# Altium PCB RF.PcbDoc (part 5 of 5)
Units mm, origin at the board's own origin, x right, y up, seen from the top; angles counter-clockwise.
Board outline 174 x 120 mm, 4 copper layers (Top, REF1, Internal, REF2), stack 1.212 mm thick; 567 components, 328 nets, 1552 pads, 3145 vias.
Unrouted connection lines stored in the file: 12.
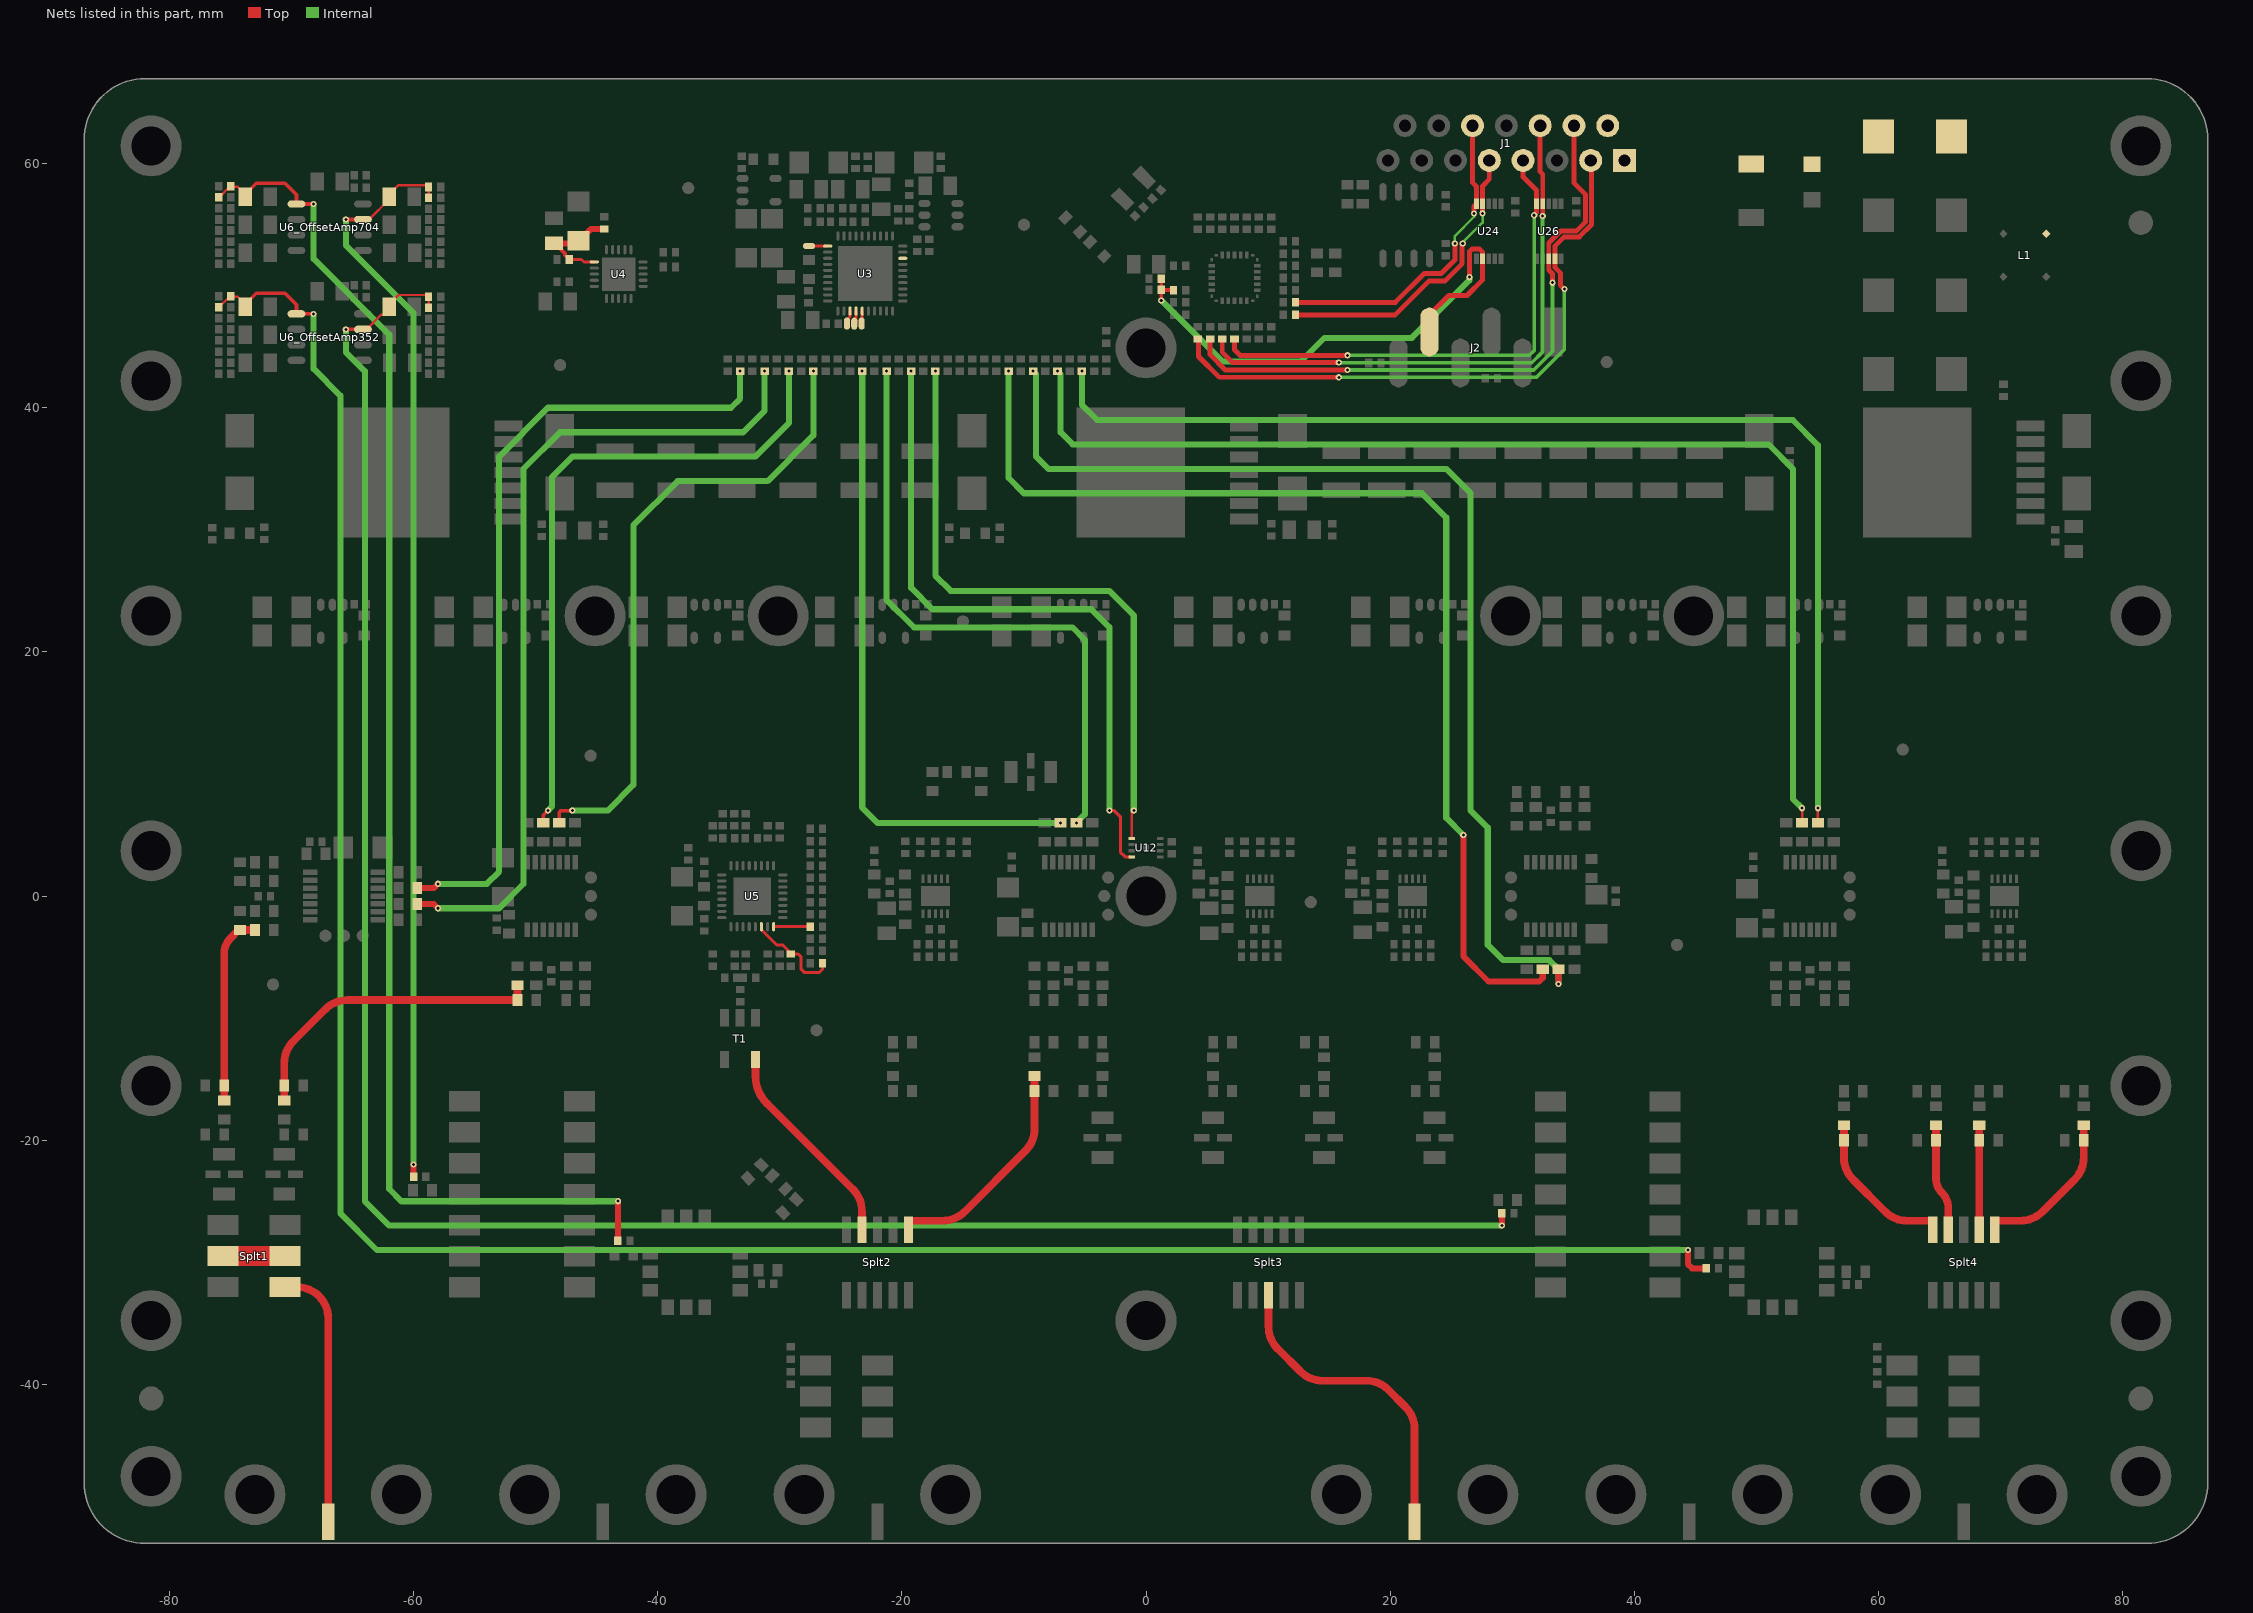
[diagram p7: the nets of this part, all layers, seen from the top]

## Via types
v1: diameter 0.51, hole 0.25, Top to REF2, tented both sides, 2873 vias
v2: diameter 1, hole 0.5, Top to REF2, tented both sides, 245 vias
v3: diameter 0.75, hole 0.25, Top to REF2, tented both sides, 21 vias
v4: diameter 0.51, hole 0.25, Top to REF2, tented bottom, 6 vias

## Nets (pads, with @x,y where several pads share a name; then routed paths per layer and width w, separated by ;. In a path a pad name is that pad's centre, name@x,y a point inside that pad or via, vN(x,y) a via of type N, cw(c..) or ccw(c..) an arc to the next point about the centre after c; other vN are vias at no path point) (continued)
NetR126_2: R126.2 R127.2 Splt2.6 | length 18.9
  Top w0.635: Splt2.6@-19.46,-27.335 -19.46,-26.6 -16.652,-26.6 ccw(c-16.652,-24.06) -14.856,-25.856 -9.869,-20.869 ccw(c-11.665,-19.073) -9.125,-19.073 R126.2@-9.125,-15.975 R127.2@-9.125,-14.75
NetR136_1: R136.1 R137.2 Splt4.9 | length 8.8
  Top w0.635: R136.1@64.73,-18.775 R137.2@64.73,-20 64.73,-23.165 ccw(c66.335,-23.165) 65.2,-24.3 cw(c63.92,-25.58) 65.73,-25.58 Splt4.9@65.73,-27.335
NetR139_1: R139.1 R144.2 Splt4.6 | length 13.2
  Top w0.635: Splt4.6@69.54,-27.335 69.54,-26.6 71.648,-26.6 ccw(c71.648,-24.06) 73.444,-25.856 76.081,-23.219 ccw(c74.285,-21.423) 76.825,-21.423 R144.2@76.825,-20 R139.1@76.825,-18.775
NetR145_1: R145.1 R146.2 Splt4.10 | length 13.2
  Top w0.635: R145.1@57.175,-18.775 R146.2@57.175,-20 57.175,-21.423 ccw(c59.715,-21.423) 57.919,-23.219 60.556,-25.856 ccw(c62.352,-24.06) 62.352,-26.6 64.46,-26.6 Splt4.10@64.46,-27.335
NetR150_2: R150.2 R151.1 Splt4.7 | length 8.6
  Top w0.635: Splt4.7@68.27,-27.335 R150.2@68.27,-20 R151.1@68.27,-18.775
NetR153_1: R153.1 U5.8 | length 3
  Top w0.25: U5.8@-30.504,-2.512 -30.504,-2.506 -27.506,-2.506 R153.1@-27.5,-2.5
NetSMA1_0: SMA1.0 Splt1.1 | length 21.3
  Top w0.635: Splt1.1@-70.52,-32.04 -69.54,-32.04 cw(c-69.54,-34.58) -67,-34.58 SMA1.0@-67,-50.94
NetSMA4_0: SMA4.0 Splt3.3 | length 26.7
  Top w0.635: Splt3.3@10.038,-32.695 10.038,-35.285 ccw(c12.578,-35.285) 10.781,-37.081 12.656,-38.956 ccw(c14.452,-37.16) 14.452,-39.7 18.048,-39.7 cw(c18.048,-42.24) 19.844,-40.444 21.256,-41.856 cw(c19.46,-43.652) 22,-43.652 SMA4.0@22,-51.54
NetSplt1_2: Splt1.2 Splt1.5 | length 5.1
  Top w1.65: Splt1.5@-75.6,-29.5 Splt1.2@-70.52,-29.5
NetSplt2_9: Splt2.9 T1.4 | length 17.3
  Top w0.635: T1.4@-31.984,-13.4 -31.984,-14.786 ccw(c-28.918,-14.786) -31.086,-16.954 -30.87,-17.17 -24.014,-24.026 cw(c-25.81,-25.822) -23.27,-25.822 Splt2.9@-23.27,-27.335
NetU3_11: pad.TPREF@-27.6,53.25 U3.11 | length 1.5
  Top w0.25: pad.TPREF@-27.6,53.25 U3.11@-26.075,53.25
NetU3_23: pad.TPREF@-24.5,46.9 U3.23 | length 1.1
  Top w0.25: pad.TPREF@-24.5,46.9 -24.5,47.218 -24.375,47.343 -24.375,47.347 -24.25,47.472 U3.23@-24.25,47.925
NetU3_24: pad.TPREF@-23.9,46.9 U3.24 | length 1.1
  Top w0.25: pad.TPREF@-23.9,46.9 -23.775,47.025 -23.775,47.347 -23.75,47.372 U3.24@-23.75,47.925
NetU3_25: pad.TPREF@-23.3,46.9 U3.25 | length 1
  Top w0.25: pad.TPREF@-23.3,46.9 -23.3,47.218 -23.25,47.268 U3.25@-23.25,47.925
NetU3_38: U3.38
NRST: C112.1 J2.5 R93.1 R95.2 U24.2 | length 45.7
  Top w0.3: C112.1@1.25,49.61 C112.1@1.25,49.66 ; R93.1@1.25,50.56 C112.1@1.25,49.66 ; v4@1.263,48.8 C112.1@1.263,49.647 ; R95.2@2.25,49.635 2.238,49.647 C112.1@1.263,49.647 ; C112.1@1.25,49.66 C112.1@1.263,49.647
  Top w0.4: J2.5@23.22,46.21 23.22,47.62 24.8,49.2 26.3,49.2 27.575,50.475 U24.2@27.575,52.21 27.575,52.76 27.335,53 26.7,53 26.5,52.8 v1(26.5,50.7)
  Internal w0.5: v4(1.25,48.8) 6.25,43.8 12.7,43.8 14.625,45.725 21.775,45.725 26.5,50.45 v1(26.5,50.7)
PD0MAG_5: R2_PD0.1 R18.1 | length 90.5
  Top w0.5: v1@33.8,-7.2 v1(33.8,-7.195) R2_PD0.1@33.8,-6
  Internal w0.5: v1(-9.25,43) -9,42.75 -9,36 -8,35 24.6,35 26.6,33 26.6,7 28,5.6 28,-4 29.25,-5.25 33.05,-5.25 33.8,-6 v1(33.8,-7.195)
PD0PHS_5: R4_PD0.1 R17.1 | length 90.5
  Top w0.5: v1@26,4.96 26,-4.94 28.06,-7 32.2,-7 32.5,-6.7 R4_PD0.1@32.5,-6.1
  Internal w0.5: v1(-11.25,43) -11.25,34.25 -10,33 22.6,33 24.6,31 24.6,6.4 v1(26,5)
PD1MAG_5: R2_PD1.1 R10.1 | length 52.5
  Internal w0.5: v1(-23.25,43) -23.25,7.25 -22,6 v1(-7,6)
PD1PHS_5: R4_PD1.1 R11.1 | length 51.6
  Internal w0.5: v1(-21.25,43) -21.25,24.25 -19,22 -6.015,22 -5,20.985 -5,6.7 v1(-5.7,6)
PD2MAG_5: R2_PD2.1 R6.1 | length 54.1
  Top w0.3: R2_PD2.1@-49.375,6 -49.375,6.625 v1(-49,7)
  Internal w0.5: v1(-49,7) -48.655,7.345 -48.655,34.345 -47,36 -32,36 -29.25,38.75 v1(-29.25,43)
PD2PHS_5: R4_PD2.1 R5.1 | length 52.2
  Top w0.3: R4_PD2.1@-48.075,6 -48.075,6.85 -47.925,7 v1(-47,7)
  Internal w0.5: v1(-47,7) -44.1,7 -42,9.1 -42,30.375 -38.375,34 -31,34 -27.25,37.75 v1(-27.25,43)
PD3MAG_5: R2_PD3.1 R19.1 | length 95.6
  Top w0.2: R2_PD3.1@53.75,6.1 v4(53.75,7.2)
  Internal w0.5: v1(-7.25,43) -7,42.75 -7,38 -6,37 51,37 53,35 53,7.95 v4(53.75,7.2)
PD3PHS_5: R4_PD3.1 R20.1 | length 95.3
  Top w0.2: R4_PD3.1@55.05,6.1 v4(55.05,7.2)
  Internal w0.5: v1(-5.25,43) -5.25,40.25 -4,39 53,39 55.05,36.95 v4(55.05,7.2)
PD4MAG_5: R2_PD4.1 R8.1 | length 65.2
  Top w0.5: R2_PD4.1@-59.7,0.65 -58.353,0.65 -58.003,1 v1(-58,1)
  Internal w0.5: v1(-58,1) -54,1 -53,2 -53,36 -49,40 -34,40 -33.25,40.75 v1(-33.25,43)
PD4PHS_5: R4_PD4.1 R7.1 | length 68.6
  Top w0.5: R4_PD4.1@-59.7,-0.65 -58.353,-0.65 -58.003,-1 v1(-58,-1)
  Internal w0.5: v1(-58,-1) -53,-1 -51,1 -51,35 -48,38 -33,38 -31.25,39.75 v1(-31.25,43)
PEL_DIR_5: J1.5 R100.1 U24.9 | length 24.7
  Top w0.4: R100.1@12.275,47.61 20.41,47.61 23.2,50.4 24.5,50.4 25.9,51.8 v1@25.9,53.46 ; v1(27.575,55.933) U24.9@27.575,56.71 27.575,58.172 28.126,58.722 J1.5@28.126,60.27
  Internal w0.2: v1@25.9,53.5 27.575,55.175 v1(27.575,55.933)
  other v1: 25.95,53.46
PEL_PWM_5: J1.13 R98.1 U24.10 | length 26.3
  Top w0.4: R98.1@12.25,48.635 20.435,48.635 22.8,51 24.189,51 25.3,52.111 v1(25.3,53.46) ; J1.13@26.754,63.115 26.754,58.446 27.075,58.125 U24.10@27.075,56.71 26.875,56.51 v1(26.875,55.925)
  Internal w0.2: v1@25.3,53.5 25.3,54.075 26.875,55.65 v1(26.875,55.925)
PhaseControl_352_5: BLM16.2 C63_OffsetAmp352.2 R55_OffsetAmp352.2 R57_OffsetAmp352.2 U6_OffsetAmp352.7 | length 176.2
  Top w0.2: U6_OffsetAmp352.7@-64.15,46.425 -63.865,46.425 -62.65,47.64 -62.45,47.64 -62,48.09 C63_OffsetAmp352.2@-62,48.29 -62,48.49 -61.25,49.24 -58.925,49.24 R55_OffsetAmp352.2@-58.775,49.09 R57_OffsetAmp352.2@-58.775,48.19
  Top w0.3: v1(-65.555,46.425) U6_OffsetAmp352.7@-64.15,46.425
  Top w0.5: v1(29.15,-27) BLM16.2@29.15,-26
  Internal w0.5: v1(-65.555,46.425) -65.555,44.555 -64,43 -64,-25 -62,-27 v1(29.15,-27)
PhaseControl_704_5: BLM13.1 C63_OffsetAmp704.2 R55_OffsetAmp704.2 R57_OffsetAmp704.2 U6_OffsetAmp704.7 | length 89.9
  Top w0.2: U6_OffsetAmp704.7@-64.15,55.425 -63.665,55.425 -62,57.09 C63_OffsetAmp704.2@-62,57.29 -62,57.49 -61.25,58.24 -58.925,58.24 R55_OffsetAmp704.2@-58.775,58.09 R57_OffsetAmp704.2@-58.775,57.19
  Top w0.3: v1(-65.555,55.425) U6_OffsetAmp704.7@-64.15,55.425
  Top w0.5: BLM13.1@-60,-23 v1(-60,-22)
  Internal w0.5: v1(-65.555,55.425) -65.555,53.305 -60,47.75 v1(-60,-22)
PowerControl_352_5: BLM14.2 C60_OffsetAmp352.2 R47_OffsetAmp352.2 R49_OffsetAmp352.2 U6_OffsetAmp352.1 | length 198.9
  Top w0.2: R47_OffsetAmp352.2@-75.975,48.249 -75.942,48.249 -75.092,49.099 -74.409,49.099 C60_OffsetAmp352.2@-73.8,48.49
  Top w0.3: C60_OffsetAmp352.2@-73.8,48.49 -72.9,49.39 -70.575,49.39 ; -70.545,49.39 -69.6,48.445 U6_OffsetAmp352.1@-69.6,47.695 v1(-68.195,47.695)
  Top w0.5: v1(44.4,-29) 44.4,-30.15 44.75,-30.5 BLM14.2@45.9,-30.5
  Internal w0.5: v1(-68.195,47.695) -68.195,43.195 -66,41 -66,-26 -63,-29 v1(44.4,-29)
PowerControl_704_5: BLM11.1 C60_OffsetAmp704.2 R47_OffsetAmp704.2 R49_OffsetAmp704.2 U6_OffsetAmp704.1 | length 115.4
  Top w0.2: R47_OffsetAmp704.2@-75.792,57.399 R49_OffsetAmp704.2@-75.192,57.999 ; R49_OffsetAmp704.2@-75.175,57.899 R49_OffsetAmp704.2@-74.975,58.099 ; R49_OffsetAmp704.2@-74.975,58.149 R49_OffsetAmp704.2@-74.975,58.099 ; C60_OffsetAmp704.2@-73.8,57.49 -74.409,58.099 R49_OffsetAmp704.2@-74.975,58.099
  Top w0.3: C60_OffsetAmp704.2@-73.8,57.49 -72.9,58.39 -70.575,58.39 ; -70.545,58.39 -69.6,57.445 U6_OffsetAmp704.1@-69.6,56.695 v1(-68.195,56.695)
  Top w0.5: BLM11.1@-43.272,-28.253 -43.25,-28.231 v1(-43.25,-25)
  Internal w0.5: v1(-68.195,56.695) -68.195,52.195 -62,46 -62,-24 -61,-25 v1(-43.25,-25)
PWR+_5: D1.1 J1.1
PWR-_5: C91.- C92.- D2.A J1.9 L1.4
RESERVED_5: J1.11 R103.1 U26.9 | length 46.5
  Top w0.4: R103.1@6.25,45.635 6.25,44.55 7.1,43.7 v1(15.8,43.7) ; J1.11@32.291,63.115 32.291,59.345 32.5,59.136 U26.9@32.5,56.71 v1(32.5,55.724)
  Internal w0.3: v1@16,43.7 31.6,43.7 32.481,44.581 32.481,55.705 v1(32.5,55.724)
RH_5: R13.1 U12.1 | length 52.7
  Top w0.2: U12.1@-1.175,4.71 -1.175,6.825 v4(-1,7)
  Internal w0.5: v1(-17.25,43) -17.25,26.25 -16,25 -3,25 -1,23 v4(-1,7)
STATUS_5: J1.4 R104.1 U26.10 | length 41.9
  Top w0.4: R104.1@7.25,45.635 7.265,45.62 7.265,44.735 7.7,44.3 v1(16.5,44.3) ; J1.4@30.894,60.27 30.894,58.906 32,57.8 U26.10@32,56.71 32,56.009 31.8,55.809 v1(31.8,55.775)
  Internal w0.3: v1(16.5,44.3) 31.4,44.3 31.8,44.7 v1(31.8,55.775)
STUB352_5: C8_PD4.1 R3_PD4.1 R115.2 R116.2 | length 15.6
  Top w0.635: R115.2@-75.52,-16.75 R116.2@-75.52,-15.525 ; R116.2@-75.52,-15.455 -75.52,-4.705 cw(c-73.745,-4.705) -75.047,-3.499 -75.047,-3.497 -74.325,-2.775 R3_PD4.1@-74.225,-2.775 C8_PD4.1@-73,-2.775
STUB704_5: C4_PD2.1 R1_PD2.2 R118.2 R119.2 | length 25.9
  Top w0.635: R118.2@-70.6,-16.75 R119.2@-70.6,-15.525 ; R119.2@-70.6,-15.455 -70.6,-13.692 ; -70.6,-13.69 -70.6,-13.692 ; C4_PD2.1@-51.5,-7.3 R1_PD2.2@-51.5,-8.525 -65.433,-8.525 ccw(c-65.433,-11.065) -67.229,-9.269 -69.856,-11.896 ccw(c-68.06,-13.692) -70.6,-13.692
T_5: R12.1 U12.4 | length 55.5
  Top w0.25: v4(-3,7) -2.6,7 -2.1,6.5 -2.1,3.6 -1.71,3.21 U12.4@-1.175,3.21
  Internal w0.5: v1(-19.25,43) -19.25,25.25 -17.5,23.5 -4.467,23.5 -3,22.033 v4(-3,7)
UART_RX_5: J1.10 R102.1 U26.3 | length 51.5
  Top w0.4: R102.1@5.25,45.635 5.25,44.35 6.5,43.1 v1(16.5,43.1) ; v1(33.306,50.25) 33.306,50.986 33,51.292 U26.3@33,52.21 33,53.5 34,54.5 35.293,54.5 36,55.207 36,57.5 35.06,58.44 J1.10@35.06,63.115
  Internal w0.3: v1(16.5,43.1) 31.764,43.1 33.306,44.642 v1(33.306,50.25)
UART_TX_5: J1.2 R101.1 U26.4 | length 50.7
  Top w0.4: R101.1@4.25,45.635 4.3,45.635 4.3,44.2 6,42.5 v1(15.8,42.5) ; v1(34.275,49.724) 33.945,50.054 33.945,51.054 33.5,51.499 U26.4@33.5,52.21 33.5,53.25 34.25,54 35.5,54 36.5,55 J1.2@36.5,60.27
  Internal w0.3: v1@16,42.5 32,42.5 34.268,44.768 v1@34.268,49.717
VDD_1: BLM7.2 C48.2 C49.1 C50.1 U4.1 | length 8.4
  Top w0.25: C48.2@-47.25,52.15 -46.25,52.15 -46.05,51.95 U4.1@-45.2,51.95
  Top w0.3: C49.1@-48.5,53.475 -48.43,53.475 -47.6,52.645 -47.6,52.5 C48.2@-47.25,52.15
  Top w0.5: C49.1@-48.3,53.475 -46.725,53.475 C50.1@-46.5,53.7 -46.4,53.7 -45.45,54.65 BLM7.2@-44.4,54.65
VREF_4: C124.1 R39.2 U5.6 | length 8
  Top w0.25: U5.6@-31.504,-2.512 -31.504,-2.762 -30.266,-4 -29.778,-4 -29.245,-4.533 -29.245,-4.75 C124.1@-29.092,-4.75 -28.5,-4.75 -28.25,-5 -28.25,-6 -28,-6.25 -26.75,-6.25 -26.5,-6 R39.2@-26.5,-5.5
pads on no net: Cpl1.5 Cpl2.5 U1_PD0.11 U1_PD1.11 U1_PD2.11 U1_PD3.11 U1_PD4.11 U3.12 U3.13 U4.10 U4.16 U5.18 U5.19 U5.27 U5.28 U7_PWD0.3 U7_PWD1.3 U7_PWD2.3 U7_PWD3.3 U12.6 U20.1 U20.7 U21.1 U21.7 U23.1 U23.7 U24.1 U24.6 U24.7 U26.1 U26.2 U26.6 U26.7
copper on no net: | length 36.8
  Top w0.2: -65.7,-3.25 -65.7,-2.5 -65.7,-1.225 -64.475,0 -63.801,0 -62.925,0 ; -48.725,2.775 -48.725,1.899 -48.725,1.225 -47.5,0 -46.225,0 -45.475,0 ; -6.35,2.775 -6.35,1.899 -6.35,1.225 -5.125,0 -3.85,0 -3.423,0 ; 30.65,0 31.925,0 ; 30.65,0 29.9,0 30.65,0 ; 30.65,0 31.925,0 ; 31.925,0 33.15,-1.225 ; 31.925,0 33.15,-1.225 ; 33.15,-1.899 33.15,-1.225 ; 33.15,-1.899 33.15,-2.775 33.15,-1.899 ; 33.15,-1.899 33.15,-1.225 ; 54.4,1.225 54.4,1.899 ; 54.4,1.225 55.625,0 ; 54.4,1.225 55.625,0 ; 54.4,1.225 54.4,1.899 ; 54.4,1.899 54.4,2.775 54.4,1.899 ; 55.625,0 56.9,0 ; 55.625,0 56.9,0 ; 56.9,0 57.65,0 56.9,0

## Polygon pours and split planes (outlines as drawn)
D3.3V on Top "Top-D3.3V" (solid, pour order 56): -54.5,33.879 -51.094,33.879 -49.2,31.605 -46.85,31.605 -46.85,28.555 -54.5,28.555
A5V on Top "Top-A5V 1" (solid, pour order 74): 5.5,33.879 10.825,33.879 10.825,31.605 13.175,31.603 13.175,28.75 10.6,28.75 10.6,29.8 6.272,29.8 5.5,30.572
A12V on Top "Top-A12V" (solid, pour order 97): 75.075,33.879 75.075,31.605 77.425,31.605 77.425,28.775 75.25,28.775 75.25,28.9 74.85,29.3 70.942,29.3 69.991,30.25 70,30.259 70,33.879
no net on Top "Top-No Net 5" (solid, pour order 214): 70.25,33.879
NetC87_+ on Top "Top-NetC87_+" (solid, pour order 145): -46.85,36.433 -57,36.433 -57,39.975 -57.063,40.039 -46.85,40.039
NetC103_+ on Top "Top-NetC103_+" (solid, pour order 212): 13.175,36.433 3.25,36.433 3.25,39.975 3.187,40.039 13.175,40.039
DGND on Top "TOP-REF" (solid, remove dead copper, pour order 208): -87.5,-53.04 -87.5,20 87,20 87,-53.04
DGND on Top "Top-DGND 2" (solid, remove dead copper, pour order 210): -87.5,17.5 -87.5,66.96 87,66.96 87,17.5
NetC91_+ on Top "Top-NetC91_+" (solid, remove dead copper, pour order 189): 47.5,58.5 72,58.5 72,52.5 47.5,52.5
NetC93_+ on Top "Top-NetC93_+" (solid, remove dead copper, pour order 206): 58.725,52.25 53,52.25 53,41.65 -23.8,41.65 -23.8,35.81 -16.981,35.81 -16.981,40.125 57.625,40.125 67.645,40.125 67.645,36.725 77.425,36.725 76.05,41.343 58.725,41.343
NetC93_+ on Top "Top-NetC93_+ 1" (solid, remove dead copper, pour order 204): 72,52.25 72,48.96 72.9,48.06 72.9,45.86 70.036,45.86 57.25,45.792 57.25,52.25
no net on Top "Top-No Net 2" (solid, remove dead copper, pour order 202): 72,52.5
PWR-_5 on Top "Top-PWR-_5" (solid, remove dead copper, pour order 187): 36.5,61.5 36.5,64.5 77.5,64.5 77.5,59.781 77.5,55.5 74.5,52.5 72,52.5 72,58.506 52.5,58.506 52.5,61.5
PWR+_5 on Top "Top-PWR+_5" (solid, remove dead copper, pour order 185): 36.6,61.5 52.5,61.5 52.5,58.487 52.487,58.5 36.6,58.5
A5V on Top "Top-A5V" (solid, remove dead copper, pour order 183): 3,30.47 3,28.67 67.825,28.67 67.825,22.81 64.925,22.81 64.925,25.1 52.825,25.1 52.825,22.81 49.925,22.81 49.925,25.1 37.825,25.1 37.825,22.81 34.925,22.81 34.925,25.1 22.825,25.1 22.825,22.81 19.925,22.81 19.925,25.1 7.825,25.1 7.825,22.81 4.925,22.81 4.925,25.1 -7.175,25.1 -7.175,22.81 -10.075,22.81 -10.075,25.1 -22.175,25.1 -22.175,22.81 -25.075,22.81 -25.075,25.1 -37.175,25.1 -37.175,22.81 -40.075,22.81 -40.075,25.1 -52.175,25.1 -52.175,22.8 -55.075,22.8 -55.075,25.1 -67.175,25.1 -67.175,22.8 -70.075,22.8 -70.075,28.67 -7,28.67 -7,30.47
DGND on Top "Top-DGND 1" (solid, remove dead copper, pour order 181): -34.103,52.2 -34.103,61.5 -14.1,61.5 -14.1,52.5 -11.55,52.5 -4.25,45.2 -4.25,44 -33.7,44 -33.7,45.1 -32.5,46.3 -23.465,46.3 -23,46.75 -23,48.75 -25.25,48.75 -25.25,53.25 -25.75,53.75 -29.25,53.75 -29.25,52.25
no net on Top "Top-No Net 4" (solid, remove dead copper, pour order 179): -86,16.96
no net on Top "Top-No Net 3" (solid, remove dead copper, pour order 177): -6.15,37.06
no net on Top "Top-No Net 1" (solid, remove dead copper, pour order 165): -10.217,30.085
no net on Top "Top-No Net" (solid, remove dead copper, pour order 149): -58.709,82.634
no net on Top Solder (solid, remove dead copper): 47.75,58 48.2,58 48.2,56.198 49.8,56.202 49.8,58 53.5,58 53.5,56.202 55.6,56.202 55.6,58 56.5,58 56.5,53 51,53 ccw(c44.881,48.632) 47.75,55.581
no net on Top Solder (solid): 52.25,61.25 52.25,58.75 49.8,58.75 48.2,58.75 43.35,58.75 43.35,61.25
no net on Top Solder (solid, remove dead copper): -3.75,57.26
no net on Top Solder (solid, remove dead copper): -4.25,57.26 -0.25,61.26 3.25,57.76 -0.75,53.76
no net on Top Solder (solid): -4.25,57.26 -0.25,61.26 3.25,57.76 -0.75,53.76
no net on Top Solder (solid, remove dead copper): -3.75,57.26
no net on Multi-Layer "Multi-Layer-No Net" (solid, remove dead copper): 10.878,45.538
no net on Multi-Layer "Multi-Layer-No Net" (solid, remove dead copper): 9,51.96
no net on REF1 (Mid1) "REF1-No Net 1" (solid, remove dead copper, pour order 127): -86,-49.04
no net on REF1 (Mid1) "REF1-GND" (solid, remove dead copper, pour order 109): 145.5,10.71
no net on REF1 (Mid1) "REF1-GND 1" (solid, remove dead copper, pour order 107): 145,10.21
DGND on Bottom Solder "REF2-DGND" (solid, pour order 169): -87.5,-53.04 -87.5,66.96 87,66.96 87,-53.04
DGND on REF2 "REF2-DGND" (solid, remove dead copper, pour order 175): -87.25,-52.965 -87.25,67.035 87.25,67.035 87.25,-52.965
DGND on Internal "REF2-DGND" (solid, remove dead copper, pour order 171): -87.261,-53.253 -87.261,66.747 87.239,66.747 87.239,-53.253
no net on Top Overlay (solid): 43.457,48.076 cw(c43.528,48.147) 43.461,48.223 cw(c43.538,48.158) 43.475,48.236 43.624,48.355 43.469,48.51 43.436,48.51 cw(c43.359,48.574) 43.435,48.509 cw(c42.037,49.722) 43.161,51.192 cw(c44.313,50.107) 45.428,51.23 cw(c46.518,50.083) 48.034,50.537 cw(c47.938,50.508) 48.039,50.508 cw(c47.938,50.508) 47.938,50.408 47.307,50.408 cw(c47.307,50.599) 47.172,50.464 cw(c47.243,50.535) 47.143,50.535 ccw(c47.123,50.535) 47.137,50.549 ccw(c47.123,50.535) 47.137,50.549 47.059,50.626 ccw(c46.618,50.185) 46.623,50.809 cw(c46.618,50.909) 46.618,50.809 cw(c46.618,50.91) 46.613,50.809 46.404,50.809 ccw(c46.404,50.29) 46.037,50.657 cw(c45.966,50.728) 45.874,50.689 cw(c45.426,50.498) 45.874,50.689 ccw(c45.426,50.498) 45.671,50.919 cw(c44.313,50.107) 45.819,50.592 cw(c45.724,50.561) 45.823,50.576 cw(c45.733,50.532) 45.833,50.532 cw(c45.733,50.532) 45.733,50.431 45.102,50.431 cw(c45.102,50.532) 45.008,50.496 44.854,50.65 ccw(c44.413,50.209) 44.418,50.833 cw(c44.413,50.933) 44.413,50.833 cw(c44.413,50.933) 44.41,50.833 44.143,50.833 cw(c44.143,50.314) 44.143,50.833 ccw(c44.143,50.314) 43.742,50.643 cw(c42.546,49.51) 43.966,50.345 cw(c43.992,50.248) 44.063,50.319 ccw(c44.811,51.067) 44.811,50.008 45.09,50.008 cw(c45.634,50.308) 45.034,50.146 cw(c45.113,50.208) 45.113,50.308 46.063,50.308 cw(c46.063,50.208) 46.146,50.265 cw(c46.088,50.183) 46.159,50.254 ccw(c46.666,50.761) 46.666,50.044 ccw(c46.666,50.761) 46.666,50.044 47.173,50.044 cw(c47.192,49.124) 47.211,50.044 47.294,50.044 cw(c47.294,49.944) 47.342,50.032 cw(c47.192,49.124) 48.112,49.144 cw(c48.011,49.142) 48.112,49.142 cw(c48.011,49.142) 48.112,49.141 cw(c46.609,49.148) 45.843,47.856 cw(c45.868,47.953) 45.802,48.029 ccw(c44.951,49.014) 45.805,48.032 ccw(c44.951,49.014) 45.806,48.033 ccw(c44.951,49.014) 46.174,48.568 cw(c46.269,48.534) 46.269,48.635 46.819,48.635 ccw(c46.819,48.926) 47.11,48.926 cw(c47.21,48.926) 47.112,48.947 cw(c47.21,48.968) 47.11,48.968 ccw(c46.869,48.968) 47.04,49.138 47.016,49.162 ccw(c46.66,48.806) 47.016,49.162 ccw(c47.087,49.233) 47.016,49.162 ccw(c46.66,48.806) 46.66,49.309 cw(c46.66,50.375) 45.959,49.572 45.834,49.572 cw(c45.087,49.036) 46.004,49.109 cw(c45.909,49.076) 46.01,49.076 cw(c45.909,49.076) 46.01,49.07 cw(c44.509,49.149) 45.764,48.323 cw(c44.509,49.149)
DGND on REF1 (split plane): 261 vertices, not listed, extent -86.49,-52.531 86.491,66.451

## Keep-outs
Top:
  circle w0.254: c-71.514,-7.25 r1.5
  circle w0.254: c37.75,43.75 r1.5
  circle w0.254: c81.5,55.165 r3
  circle w0.254: c-15,22.5 r1.5
  circle w0.254: c62,12 r1.5
  circle w0.254: c43.5,-4 r1.5
  circle w0.254: c-10,55 r1.5
  circle w0.254: c-37.5,58 r1.5
  circle w0.254: c-48,43.5 r1.5
  circle w0.254: c13.5,-0.5 r1.5
  circle w0.254: c-45.5,11.5 r1.5
  circle w0.254: c-27,-11 r1.5
  circle w0.254: c81.5,-41.165 r2.7
  circle w0.254: c-81.5,-41.165 r2.7
Keep-Out Layer:
  lines w0.254: -87,-48.04 ccw(c-82,-48.04) -82,-53.04 82,-53.04 ccw(c82,-48.04) 87,-48.04 87,61.96 ccw(c82,61.96) 82,66.96 -82,66.96 ccw(c-82,61.96) -87,61.96 ; -86.996,-48.036 -86.996,61.96

## Other copper
Top:
  pour cut-out: -40.4,62.1 cw(c-39.9,62.1) -39.9,62.6 cw(c-39.9,62.1) -39.4,62.1 cw(c-39.9,62.1) -39.9,61.6 cw(c-39.9,62.1)
  pour cut-out: -40.85,62.29 -39.999,62.29 -39.999,61.873 -40.85,61.873
  region net DGND: -47,-3.375 -45.121,-3.375 -46.321,-2.175 -47,-2.175
  region net DGND: -52.685,-2.675 -51.4,-2.675 -50.9,-2.175 -50.45,-2.175 -50.45,-3.375 -51.585,-3.375 -51.685,-3.475 -52.685,-3.475
  region net DGND: -69.175,3.96 -69.175,2.96 -69.075,2.86 -69.075,1.725 -67.875,1.725 -67.875,2.175 -68.375,2.675 -68.375,3.96
  region net DGND: -69.075,-1.725 -69.075,-3.483 -68.79,-3.483 -67.875,-2.568 -67.875,-1.725
  region: 45,58
  region net DGND: 6,51.885 8.5,51.885 8.5,49.385 6,49.385
  region net DGND: -40.275,20.46 -42.6,20.46 -42.6,24.56 -40.275,24.56
  region net DGND: 4.725,20.46 2.3,20.46 2.3,24.56 4.725,24.56
  region: 5.675,22.41
  region net DGND: 18.85,20.46 16.8,20.46 16.8,24.56 18.85,24.56
  region: 20.275,22.41
  region net DGND: -24.775,20.46 -27.1,20.46 -27.1,24.56 -24.775,24.56
  region: -23.725,22.41
  region net DGND: -70.275,20.46 -73.2,20.46 -73.2,24.56 -70.275,24.56
  region: -69.725,22.41
  region net DGND: 49.607,20.46 47.6,20.46 47.6,24.56 49.607,24.56
  region: 50.475,22.41
  region net DGND: -55.275,20.46 -58.3,20.46 -58.3,24.56 -55.275,24.56
  region: -54.725,22.41
  region net DGND: -10.275,20.46 -12.6,20.46 -12.6,24.56 -10.275,24.56
  region: -9.625,22.41
  region net DGND: 34.725,20.46 32.5,20.46 32.5,24.56 34.725,24.56
  region: 35.875,22.41
  region net DGND: 64.725,20.46 62.4,20.46 62.4,24.56 64.725,24.56
  region: 63.775,20.76
  pour cut-out: 9.9,30.2 10.6,30.2 10.6,29.8 9.904,29.8
  pour cut-out: 73.95,29.901 74.076,29.775 75.05,29.775 75.05,29.1 74.971,29.179 73.938,29.179
  region net NetC103_+: 10.825,39.495 9.156,37.689 6.87,37.689 6.87,36.8 9.156,36.8 10.825,36.725 11.562,36.725 14.388,33.288 14.736,30.6 17.006,30.6 47.282,30.6 47.281,34.5 15.4,34.5 13.175,36.725 13.175,39.495
  region net NetC93_+: 71.328,37.689 73.614,37.689 75.075,38.515 75.075,39.495 77.425,39.495 77.425,36.725 75.075,36.725 73.614,36.8 71.328,36.8
  region net A12V: 47.281,34.845 15.441,34.845 13.468,36.818 13.468,39.495 13.468,40.039 47.281,40.039 48.708,40.039 51.425,39.495 51.425,36.725 48.708,36
  region net NetC93_+: -16.981,35.81 -16.981,34.845 -44.657,34.845 -46.6,36.788 -46.6,39.495 -16.99,39.495 -16.981,39.505
  region: -45.029,35.81
  region: -45.029,35.81
  region net NetC87_+: -49.2,39.495 -51.094,37.689 -53.38,37.689 -53.38,36.8 -51.094,36.8 -49.2,36.725 -48.463,36.725 -45.057,32.582 -44.8,30.6 -43.019,30.6 -16.981,30.6 -16.981,34.5 -44.625,34.5 -46.85,36.725 -46.85,39.495
  region net A12V: 53.708,40.039 67.645,40.039 67.645,36.419 71.265,36.419 73.614,36.419 73.614,32.99 71.328,32.99 67.709,32.99 67.709,29.371 53.708,29.371 53.708,36 48.708,36 48.708,40.039
  region net A5V: -10.75,40.039 3.187,40.039 3.187,36.419 6.806,36.419 9.156,36.419 9.156,32.99 6.87,32.99 3.25,32.99 3.25,29.371 -10.75,29.371 -10.75,36 -15.75,36 -15.75,40.039
  region net D3.3V: -71,40.039 -57.063,40.039 -57.063,36.419 -53.444,36.419 -51.094,36.419 -51.094,32.99 -53.38,32.99 -57,32.99 -57,29.371 -71,29.371 -71,36 -76,36 -76,40.039
  region net NetC121_1: -34.054,-5.05 -33.354,-5.05 -33.354,-4.45 -33.379,-2.512 -33.629,-2.512 -33.629,-2.762 -34.054,-4.45
  region net NetC118_1: -32.454,-5.05 -33.154,-5.05 -33.154,-4.45 -33.129,-2.512 -32.879,-2.512 -32.879,-2.762 -32.454,-4.45
  region net NetC119_2: -32.529,5.1 -33.129,5.1 -33.129,2.488 -32.879,2.488 -32.879,2.738 -32.529,4.083
  pour cut-out: -17.5,9.199 -13.5,9.199 -13.5,11.121 -17.5,11.121
  pour cut-out: 75.864,-16 75.864,-20 77.786,-20 77.786,-16
  pour cut-out: 67.309,-16 67.309,-20 69.231,-20 69.231,-16
  pour cut-out: 63.769,-16 63.769,-20 65.691,-20 65.691,-16
  pour cut-out: 56.214,-15.925 56.214,-19.925 58.136,-19.925 58.136,-15.925
  pour cut-out: 22.689,-11.975 22.689,-15.975 24.611,-15.975 24.611,-11.975
  pour cut-out: 13.614,-11.975 13.614,-15.975 15.536,-15.975 15.536,-11.975
  pour cut-out: 4.539,-11.975 4.539,-15.975 6.461,-15.975 6.461,-11.975
  pour cut-out: -4.536,-11.975 -4.536,-15.975 -2.614,-15.975 -2.614,-11.975
  pour cut-out: -10.086,-11.975 -10.086,-15.975 -8.164,-15.975 -8.164,-11.975
  pour cut-out: -32.178,-22.721 -29.349,-25.549 -27.991,-24.191 -30.819,-21.362
  pour cut-out: -71.561,-15.525 -71.561,-19.525 -69.639,-19.525 -69.639,-15.525
  pour cut-out: -76.481,-15.525 -76.481,-19.525 -74.559,-19.525 -74.559,-15.525
  pour cut-out: -21.691,-11.975 -21.691,-15.975 -19.769,-15.975 -19.769,-11.975
  region net NetC125_2: -33.979,5.1 -33.379,5.1 -33.379,2.488 -33.629,2.488 -33.629,2.738 -33.979,4.083
  region net NetCpl1_4: -29.457,-37.635 -25.81,-37.635 -25.81,-39.285 -29.457,-39.285
  region net NetCpl2_4: 59.543,-37.635 63.19,-37.635 63.19,-39.285 59.543,-39.285
  region: 38.26,60.975
  region net D3.3V: 10.35,64.5 12.7,64.5 12.7,62.5 10.5,62.5
  region net NetC68_PWD3_1: 64.789,0.62 68.815,0.62 68.815,-1.035 69.065,-1.285 69.315,-1.285 69.315,-2.035 68.815,-2.035 68.565,-1.785 68.34,-1.56 64.789,-1.56
  region net NetC68_PWD1_1: 16.294,0.625 20.32,0.625 20.32,-1.03 20.57,-1.28 20.82,-1.28 20.82,-2.03 20.32,-2.03 20.07,-1.78 19.845,-1.555 16.294,-1.555
  region net NetC68_PWD2_1: 3.794,0.62 7.82,0.62 7.82,-1.035 8.07,-1.285 8.32,-1.285 8.32,-2.035 7.82,-2.035 7.57,-1.785 7.345,-1.56 3.794,-1.56
  region net NetC68_PWD0_1: -22.755,0.615 -18.73,0.615 -18.73,-1.04 -18.48,-1.29 -18.23,-1.29 -18.23,-2.04 -18.73,-2.04 -18.98,-1.79 -19.205,-1.565 -22.755,-1.565
  pour cut-out: 36.6,61.95 37.9,60.875 37.9,54.2 35.9,52.2 35.9,42.8 34.75,41.65 -0.55,41.65 -11.55,52.65 -14,52.65 -14,61.45 -34,61.45 -34,51.8 -33.7,51.5 -29.5,51.5 -28.15,52.85 -26.25,52.85 -25.475,52.075 -25.475,48.725 -25.4,48.65 -22.95,48.65 -22.9,48.6 -22.9,46.5 -23.25,46.15 -38.2,46.15 -38.2,49.65 -38,49.65 -38,46.35 -23.35,46.35 -23.1,46.6 -23.1,48.45 -25.5,48.45 -25.675,48.625 -25.675,51.975 -26.35,52.65 -28.05,52.65 -29.4,51.3 -33.8,51.3 -34.35,51.85 -34.35,61.675 -13.8,61.675 -13.8,52.85 -11.45,52.85 -6.3,47.7 -4.6,46 -3.6,46 -2.9,46 -2.9,47.7 3.5,47.7 3.5,41.85 34.65,41.85 35.7,42.9 35.7,52.3 37.7,54.3 37.7,60.775 36.4,61.85 36.4,68 36.575,68 36.6,68.025
  region net A5V: 65.625,22.76 68.525,22.76 68.525,23.21 68.525,24.56 65.625,24.56
  region net A5V: 50.125,22.76 53.025,22.76 53.025,23.21 53.025,24.56 50.125,24.56
  region net A5V: 35.525,22.76 38.425,22.76 38.425,23.21 38.425,24.56 35.525,24.56
  region net A5V: 19.925,22.76 22.825,22.76 22.825,23.21 22.825,24.56 19.925,24.56
  region net A5V: 5.325,22.76 8.225,22.76 8.225,23.21 8.225,24.56 5.325,24.56
  region net A5V: -9.975,22.76 -6.709,22.76 -6.709,24.56 -9.975,24.56
  region net A5V: -24.475,22.76 -21.575,22.76 -21.575,23.21 -21.575,24.56 -24.475,24.56
  region net A5V: -39.875,22.76 -36.975,22.76 -36.975,23.21 -36.975,24.56 -39.875,24.56
  region net A5V: -55.1,22.76 -52.175,22.76 -52.175,23.21 -52.175,24.36 -55.1,24.36
  region net A5V: 39.591,23.86 40.191,23.86 40.191,26 39.6,26
  region net A5V: 23.991,23.86 24.591,23.86 24.591,26 24,26
  region net A5V: 9.391,23.86 9.991,23.86 9.991,26 9.4,26
  region net A5V: -5.409,23.86 -4.809,23.86 -4.809,26 -5.4,26
  region net A5V: -20.009,23.86 -19.409,23.86 -19.409,26 -20,26
  region net A5V: -35.409,23.86 -34.809,23.86 -34.809,26 -35.4,26
  region net A5V: -51.009,23.86 -50.409,23.86 -50.409,26 -51,26
  region net A5V: -66.009,23.86 -65.409,23.86 -65.409,26 -66,26
  pour cut-out: 45.7,-49.55 45.7,-53.75 43.3,-53.75 43.3,-49.55
  pour cut-out: 68.2,-49.55 68.2,-53.75 65.8,-53.75 65.8,-49.55
  pour cut-out: 23.2,-49.55 23.2,-53.75 20.8,-53.75 20.8,-49.55
  pour cut-out: -20.8,-49.55 -20.8,-53.75 -23.2,-53.75 -23.2,-49.55
  pour cut-out: -43.3,-49.55 -43.3,-53.75 -45.7,-53.75 -45.7,-49.55
  pour cut-out: -65.8,-49.55 -65.8,-53.75 -68.2,-53.75 -68.2,-49.55
  pour cut-out: -19.4,52.8 -19,53.2 -17.2,53.2 -16.4,54 -16.4,54.5 -16.4,54.875 -15.713,55.562 -15.875,55.725 -16.65,54.95 -16.65,54.15 -17.4,53.4 -19.2,53.4 -19.7,52.9 -19.7,52.8
  pour cut-out: -42.4,53.45 -40.85,53.45 -39.8,54.5 -39.8,67.975 -39.6,67.975 -39.6,54.4 -40.775,53.225 -42.4,53.225
  region: -77.5,42
  pour cut-out: -18.15,56.734 -15.45,56.734 -15.45,56.2 -14.8,56.2 -14.8,55.4 -15.45,55.4 -15.45,54.834 -18.15,54.834
  region net A3.3V_ADC_5: -31.4,54.413 -31.4,60.85 -29.85,60.85 -29.85,54.413
  region net NetBLM10_PWD0_2: -24.475,22.26 -17.975,22.26 -17.975,20.46 -24.475,20.46
  region: 68.238,39.96
  region net A5V: -32,54.425 -32,59.091 -33.05,59.091 -33.05,58.325 -32.4,58.325 -32.4,57.325 -33.5,57.325 -33.5,54.425
  region: -32.2,56.325
  region: -31.6,54.775
  region net NetBLM8_2: -39.875,22.26 -33.375,22.26 -33.375,20.46 -39.875,20.46
  region: -37.975,23.01
  region: -39.525,22.41
  region net NetBLM10_PWD2_2: 5.325,22.26 11.825,22.26 11.825,20.46 5.325,20.46
  region: 7.225,23.01
  region net NetBLM10_PWD1_2: 19.925,22.26 26.425,22.26 26.425,20.46 19.925,20.46
  region: 21.825,23.01
  region: -22.175,23.01
  region net NetBLM1_PD4_1: -70,22.26 -63.575,22.26 -63.575,20.46 -70,20.46
  region net A5V: -70,22.76 -67.175,22.76 -67.175,23.21 -67.175,24.56 -70,24.56
  region: -68.175,23.01
  region net NetBLM1_PD3_1: 50.125,22.26 57.325,22.26 57.325,20.46 50.125,20.46
  region: 52.725,23.01
  region net NetBLM1_PD2_1: -55.075,22.26 -48.575,22.26 -48.575,20.46 -55.075,20.46
  region: -53.175,23.01
  region net NetBLM1_PD1_1: -9.975,22.26 -2.975,22.26 -2.975,20.46 -9.975,20.46
  region: -7.575,23.01
  region net NetBLM1_PD0_1: 35.525,22.26 42.025,22.26 42.025,20.46 35.525,20.46
  region: 37.425,23.01
  region net NetBLM10_PWD3_2: 65.625,22.26 72.125,22.26 72.125,20.46 65.625,20.46
  region: 66.025,21.36
  region net NetR4_PD2_2: -48.3,2.175 -47.2,2.175 -47.2,3.375 -48.3,3.375
  region net NetR2_PD2_2: -50.25,2.175 -49.15,2.175 -49.15,3.375 -50.25,3.375
  region net NetR4_PD1_2: -5.925,2.175 -4.825,2.175 -4.825,3.375 -5.925,3.375
  region net NetR2_PD1_2: -7.875,2.175 -6.775,2.175 -6.775,3.375 -7.875,3.375
  region net NetR2_PD3_2: 52.875,2.175 53.975,2.175 53.975,3.375 52.875,3.375
  region net NetR4_PD3_2: 54.825,2.175 55.925,2.175 55.925,3.375 54.825,3.375
  region net NetR4_PD0_2: 32.725,-2.175 31.625,-2.175 31.625,-3.375 32.725,-3.375
  region net NetR2_PD0_2: 34.675,-2.175 33.575,-2.175 33.575,-3.375 34.675,-3.375
  region: 38.53,0.625
  region: 38.53,0.625
  region net NetR4_PD4_2: -63.525,-0.425 -63.525,-1.525 -62.325,-1.525 -62.325,-0.425
  region net NetR2_PD4_2: -63.525,1.525 -63.525,0.425 -62.325,0.425 -62.325,1.525
Internal:
  region net A5V: -56.5,25.75 -55.5,26.75 -54.5,25.75 -55.5,24.75
  region net A5V: -58.5,25.75 -57.5,26.75 -56.5,25.75 -57.5,24.75
  pour cut-out: 36.6,61.95 37.9,60.875 37.9,54.2 35.9,52.2 35.9,42.8 34.75,41.65 -0.55,41.65 -11.55,52.65 -14,52.65 -14,61.45 -34,61.45 -34,52.3 -33.4,51.7 -29.3,51.7 -28.15,52.85 -26.25,52.85 -25.475,52.075 -25.475,48.725 -25.4,48.65 -22.95,48.65 -22.9,48.6 -22.9,46.5 -23.25,46.15 -38.2,46.15 -38.2,49.65 -38,49.65 -38,46.35 -23.35,46.35 -23.1,46.6 -23.1,48.45 -25.5,48.45 -25.675,48.625 -25.675,51.975 -26.3,52.6 -28.1,52.6 -29.2,51.5 -33.5,51.5 -34.2,52.2 -34.2,61.65 -34.175,61.65 -13.8,61.65 -13.8,52.85 -11.45,52.85 -0.45,41.85 34.65,41.85 35.7,42.9 35.7,52.3 37.7,54.3 37.7,60.775 36.4,61.85 36.4,68 36.575,68 36.6,68.025
  pour cut-out: -42.8,53.45 -40.85,53.45 -39.8,54.5 -39.8,67.975 -39.6,67.975 -39.6,54.4 -40.775,53.225 -42.8,53.225
  region net A3.3V_ADC_5: -31.4,54.425 -31.4,60.85 -29.85,60.85 -29.85,54.425
REF2:
  pour cut-out: 36.6,61.95 37.9,60.875 37.9,54.2 35.9,52.2 35.9,42.8 34.75,41.65 -0.55,41.65 -3.25,41.65 -3.25,44.306 -11.734,52.65 -14,52.65 -14,61.45 -34,61.45 -34,52.3 -33.3,51.6 -29.4,51.6 -28.05,52.95 -26.35,52.95 -25.475,52.075 -25.475,48.725 -25.4,48.65 -22.95,48.65 -22.9,48.6 -22.9,46.5 -23.25,46.15 -38.2,46.15 -38.2,49.65 -38,49.65 -38,46.35 -23.35,46.35 -23.1,46.6 -23.1,48.45 -25.5,48.45 -25.675,48.625 -25.675,51.975 -26.35,52.65 -28.05,52.65 -29.3,51.4 -33.4,51.4 -34.275,52.275 -34.275,61.65 -34.175,61.65 -13.8,61.65 -13.8,52.85 -11.45,52.85 -0.45,41.85 34.65,41.85 35.7,42.9 35.7,52.3 37.7,54.3 37.7,60.775 36.4,61.85 36.4,68 36.575,68 36.6,68.025
  pour cut-out: -42.8,53.45 -40.85,53.45 -39.8,54.5 -39.8,67.975 -39.6,67.975 -39.6,54.4 -40.775,53.225 -42.8,53.225
REF1 (plane layer: these items are gaps in the copper):
  lines w0.2: -42.3,53.337 -40.812,53.337 -39.7,54.45 -39.7,67.9 ; -38.1,49.55 -38.1,46.325 -23.225,46.325 -23,46.55 -23,48.494 -23.056,48.55 -25.5,48.55 -25.572,48.622 -25.572,52.022 -26.25,52.7 -28.15,52.7 -29.45,51.4 -33.4,51.4 -34.275,52.275 -34.275,61.575 -13.9,61.575 -13.9,52.75 -11.5,52.75 -0.5,41.75 34.7,41.75 35.8,42.85 35.8,47.45 35.8,52.25 37.8,54.25 37.8,60.825 36.5,61.908 36.5,68.325
  lines w1: -58,25.75 -55,25.75

## Silkscreen, mask and mechanical layers (free items; w line width, h text height)
Top Overlay:
  drawing of 209 lines, arcs and shapes, not listed
  text "V-" at 39.4,62.2 h1
  text "ADC" at -33.9,61.9 h1
  text "R49" at -78.5,61.25 h1
  text "C60" at -74.25,61.25 h1
  text "C67" at -70.5,61.25 h1
  text "BLM9" at -67,61.25 h1
  text "C63" at -62.5,61.25 h1
  text "R55" at -57.05,61.25 h1
  text "R47" at -78.5,59.75 h1
  text "C62" at -74.25,59.75 h1
  text "C66" at -67,59.75 h1
  text "C65" at -62.5,59.75 h1
  text "R57" at -57.05,59.75 h1
  text "U6" at -70.5,59.5 h1
  text "V+" at 41,59.18 h1
  text "R48" at -79.75,58.25 h1
  text "C61" at -74.25,58.25 h1
  text "C64" at -62.5,58.25 h1
  text "R56" at -57.05,58.25 h1
  text "R45" at -79.75,56.75 h1
  text "R54" at -57.05,56.75 h1
  text "SCLK2" at 5,56.5 h1 r90
  text "MOSI2" at 6.5,56.5 h1 r90
  text "MISO2" at 8,56.5 h1 r90
  text "MOSI1" at 9.5,56.5 h1 r90
  text "MISO1" at 11,56.5 h1 r90
  text "SLCK1" at 12.5,56.5 h1 r90
  text "CS1" at 14,56.5 h1 r90
  text "R44" at -79.75,55.25 h1
  text "R52" at -57.05,55.25 h1
  text "R42" at -79.75,53.75 h1
  text "R50" at -57.05,53.75 h1
  text "SDA" at 13.75,53.25 h1 r45
  text "SCL" at 16,53.25 h1 r45
  text "R43" at -79.75,52.25 h1
  text "R51" at -57,52.25 h1
  text "R46" at -79.75,50.75 h1
  text "R53" at -57,50.75 h1
  text "PPWM" at 13.75,48.75 h1
  text "Rst" at -0.75,47.5 h1
  text "Phase" at -8.351,47.451 h1.2 r45
  text "PDIR" at 13.75,47.25 h1
  text "SWD" at 18.3,46.2 h1
  text "DAC" at -44.9,45.9 h1
  text "Lock" at -6.351,45.451 h1.2 r45
  text "Temperature" at -15.101,44.301 h1.2 r45
  text "TX" at 4.25,42.25 h1 r90
  text "RX" at 5.75,42.25 h1 r90
  text "Re" at 7.25,42.25 h1 r90
  text "ST" at 8.75,42.25 h1 r90
  text "ER" at 10.25,42.25 h1 r90
  text "SYNC" at 12.25,42.25 h1 r90
  text "LDAC" at 14.25,42.25 h1 r90
  text "1" at -34.1,40.6 h1
  text "2" at -32.3,40.6 h1
  text "3" at -30.3,40.6 h1
  text "4" at -28.3,40.6 h1
  text "5" at -26.3,40.6 h1
  text "6" at -24.3,40.6 h1
  text "7" at -22.3,40.6 h1
  text "8" at -20.3,40.6 h1
  text "9" at -18.3,40.6 h1
  text "A" at -16.3,40.6 h1
  text "B" at -14.2,40.6 h1
  text "C" at -12.3,40.6 h1
  text "D" at -10.3,40.6 h1
  text "E" at -8.3,40.6 h1
  text "F" at -6.3,40.6 h1
  text "10" at -4.6,40.6 h1
  text "PD4 / 3.3V" at -71,24.75 h1.2
  text "PD2 / 3.3V" at -56,24.75 h1.2
  text "FD / 3.3V" at -41,24.75 h1.2
  text "PWD0 / 3.3V" at -26,24.75 h1.2
  text "PD1 / 3.3V" at -11,24.75 h1.2
  text "PWD2 / 3.3V" at 4,24.75 h1.2
  text "PWD1 / 3.3V" at 19,24.75 h1.2
  text "PD0 / 3.3V" at 34,24.75 h1.2
  text "PWD3 / 3.3V" at 64,24.75 h1.2
  text "PD3 / 3.3V" at 49.909,24.64 h1.2
  text "MO704/2" at 20.7,12.4 h1
  text "MO352" at 39,12.4 h1
  text "10" at 68.975,11.075 h1
  text "PWD3" at 67.25,8.21 h1.5
  text "3" at -49.6,7.6 h1
  text "4" at -47.6,7.6 h1
  text "FD" at -40.25,7 h1.5
  text "MO352" at -77.7,6.7 h1 r90
  text "6" at -7.6,6.7 h1
  text "7" at -5.9,6.7 h1
  text "E" at 52.2,6.7 h1
  text "F" at 55.7,6.7 h1
  text "ATTFD" at -19.2,6.5 h1
  text "8" at -2.6,6.3 h1
  text "9" at -0.6,6.3 h1
  text "PWD2" at 6.25,5.21 h1.5
  text "PWD1" at 19,5.21 h1.5
  text "PD4" at -67.2,5.2 h1.5
  text "PD2" at -56.3,5.2 h1.5
  text "5" at -14.1,4 h1
  text "A" at 12.5,3.3 h1
  text "B" at 25,3.3 h1
  text "T" at 2.4,1.7 h1
  text "1" at -57.2,0.6 h1
  text "PD3" at 42.5,-1 h1.5
  text "2" at -57.4,-1.7 h1
  text "PD1" at -3.5,-5.04 h1.5
  text "STUB704" at -62.1,-6.3 h1
  text "MO704" at -43.506,-6.335 h1
  text "PD0" at 35.5,-6.79 h1.5
  text "C" at 31.9,-8 h1
  text "D" at 33.4,-8 h1
  text "AMP352" at 41.5,-8.2 h1
  text "PWD0" at -17.7,-8.4 h1.5
  text "AMP704" at 12.9,-8.9 h1 r45
  text "MO352" at 71.9,-10.8 h1 r90
  text "MO704" at -23.1,-11.4 h1 r90
  text "STUB352" at -77.7,-11.5 h1 r90
  text "AMP352" at 3.2,-11.6 h1 r90
  text "MO352" at 54.8,-14.7 h1 r90
  text "MO704" at -29.5,-15.3 h1 r315
  text "MO704" at -11.4,-15.7 h1 r90
  text "AMP704" at 0.2,-15.9 h1 r90
  text "ATT4" at -17,-16.1 h1 r90
  text "ATT8" at 17.8,-16.1 h1 r90
  text "ATT10" at 21,-16.4 h1 r90
  text "ATT7" at -1.4,-18.6 h1
  text "ATT11" at 7.7,-18.6 h1
  text "ATT2" at -67.95,-19.9 h1
  text "ATT1" at -82.2,-20 h1
  text "ATT12" at 60.7,-20.5 h1 r90
  text "ATT9" at 62.75,-20.5 h1 r90
  text "ATT14" at 71.8,-20.5 h1 r90
  text "ATT13" at 74.6,-20.5 h1 r90
  text "ATT6" at -6,-20.9 h1 r90
  text "ATT3" at -32.6,-26.2 h1 r315
  text "AMP" at 26.401,-45.74 h1.5
  text "STUB" at -63.399,-46.04 h1.5
  text "704 OUT" at -40.899,-46.04 h1.5
  text "704 / IN" at -18.299,-46.04 h1.5
  text "352 / OUT" at 48.201,-46.04 h1.5
  text "352 / IN" at 70.701,-46.04 h1.5
  text "ISE" at -8.873,-47.249 h5
  text "ML / DS" at 8.5,-50 h2
Top Solder:
  drawing of 102 lines, arcs and shapes, not listed
Bottom Solder:
  drawing of 131 lines, arcs and shapes, not listed
Mechanical 1:
  circle w0.254: c-87,-53.04 r0.354
  lines w0.2: -87,-53.04 -87,52.96 -87,66.96 87,66.96 87,52.96 87,-53.04 -87,-53.04

## Dimensions
87,66.96 to 53.4,73.96 on Mechanical 1
70.171,-67.365 to 95.3,-53.04 on Mechanical 1
87,-53.04 to 87,66.96 on Mechanical 1
-87,-53.04 to 87,-53.04 on Mechanical 1